# KiCad board N2360.kicad_pcb (continued)
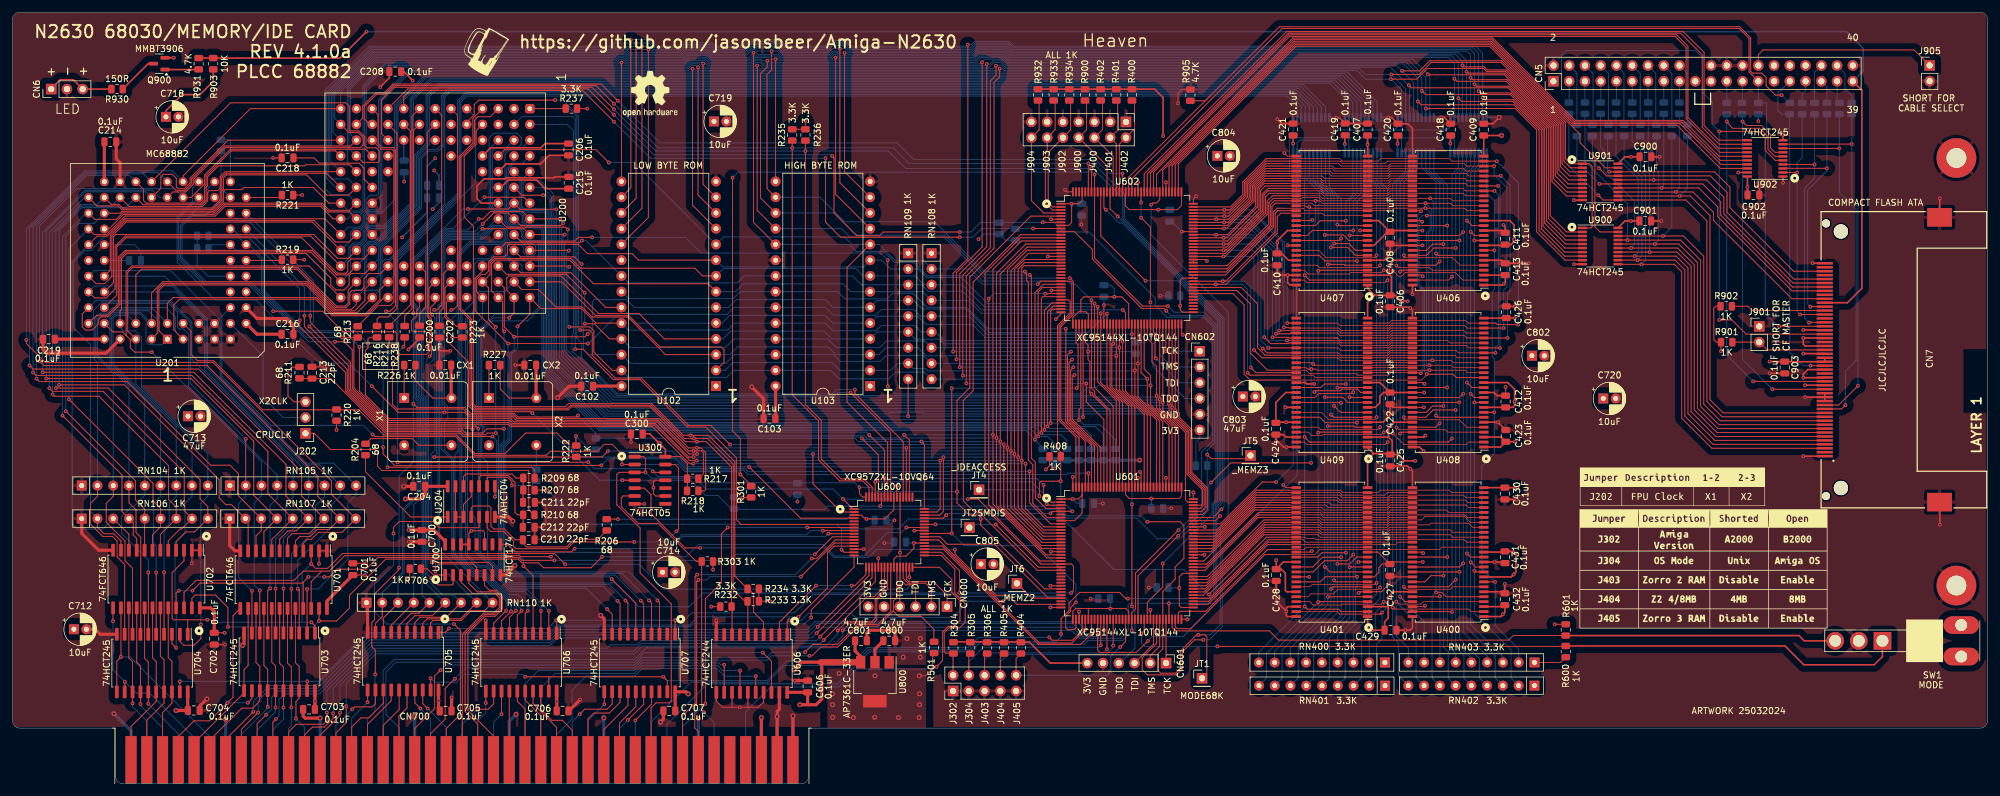
[diagram p0: board, top side]
## Routing (per net, layer and track width the routed paths; a pad name or vN(x,y) marks a point on that pad's centre or on a via; arc(x,y) is an arc through that point) (continued)
  Top w0.15: v1(157.37,78.28) 157.37,44.97 v1(158.07,44.28) ; v1(193.18,48.57) 196.37,51.76 v1(209.33,51.76) ; R206.2 97.6,42.68 v1(97.6,42.67) ; U602.30 v1(166.47,79.08)
  Bottom w0.15: v1(193.18,48.57) 192.85,48.24 192.85,44.17 188.2,39.52 184.51,39.52 181.17,42.85 169.63,42.85 168.21,44.28 v1(158.07,44.28) 136.14,44.28 134.53,42.67 v1(97.6,42.67) ; v1(209.02,93.06) 209,93.04 209,67.25 v1(209.35,66.9) 209.33,66.88 v1(209.33,51.76) ; v1(166.47,79.08) 158.17,79.08 v1(157.37,78.28)
D0: length 290.3
  Top w0.15: U201.3 26.02,73.22 26.02,77.25 26.94,78.17 48.88,78.17 51.55,75.5 56.97,75.5 59.9,78.44 ; RN104.2 13.71,46.35 12.59,45.22 12.59,41.86 14.57,39.88 16.14,39.88 16.87,39.15 16.87,36.59 18.1,35.37 U704.9
  Bottom w0.15: U421.2 207.08,109.35 205.47,110.95 73.22,110.95 72.27,110 72.27,109.09 72.29,109.08 72.29,95.04 61.87,84.62 61.87,79.77 U200.89 ; RN104.2 13.71,67.96 13.17,68.51 13.17,74.98 14.1,75.91 15.21,75.91 16.12,76.83 24.75,76.83 26.3,75.28 26.3,72.94 U201.3
D1: length 283.4
  Top w0.15: U200.88 59.23,79.67 59.23,78.13 57.49,76.39 56.86,75.76 51.66,75.76 49,78.43 25.87,78.43 24.97,77.53 24.97,74.27 ; U704.8 19.37,34.75 18.14,35.98 18.14,39.15 15.13,42.17 15.13,45.22 16.25,46.35 RN104.3
  Bottom w0.15: RN104.3 16.25,66.22 13.43,69.05 13.43,74.88 14.21,75.65 15.32,75.65 16.23,76.57 22.67,76.57 24.97,74.27 ; U421.3 207.73,109.37 205.88,111.21 73.12,111.21 72.01,110.11 72.01,95.14 61.61,84.73 61.61,82.05 U200.88
D2: length 294.9
  Top w0.15: U704.5 v1(23.18,34.07) ; U201.1 23.61,73.09 23.61,79.63 24.45,80.47 47.32,80.47 51.77,76.02 55.58,76.02 U200.102
  Bottom w0.15: U201.1 24.07,70.83 22.07,70.83 21.54,71.36 21.54,74.8 20.55,75.79 16.55,75.79 15.97,75.21 15.97,67.68 23.87,59.77 RN104.6 23.87,46.35 22.75,45.22 22.75,38.85 23.18,38.43 v1(23.18,34.07) ; U421.5 209.03,109.36 206.65,111.73 70.65,111.73 69.67,110.75 69.67,93.53 60.69,84.54 59.99,84.54 59.59,84.14 59.59,80.03 U200.102
D3: length 290.8
  Top w0.15: 22.43,74.27 22.43,79.19 24.24,80.99 46.51,80.99 47.55,80.99 52,76.54 54.66,76.54 55.45,77.33 U200.115 ; U704.6 v1(21.91,34.11)
  Bottom w0.15: U421.6 209.68,109.2 206.89,111.99 70.55,111.99 69.41,110.86 69.41,102.88 68.59,102.06 67.09,102.06 65.92,100.89 65.92,92.79 59.57,86.44 59.57,84.5 59.33,84.25 59.33,80.14 58.82,79.63 56.64,79.63 U200.115 ; 22.43,74.27 20.65,76.05 16.45,76.05 15.71,75.31 15.71,67.51 21.28,61.94 21.33,61.94 21.33,46.5 19.57,44.74 19.24,44.74 17.58,43.08 17.58,40.42 21.91,36.1 v1(21.91,34.11)
D4: length 296.6
  Top w0.15: 20.68,24.15 20.68,39.77 19.92,40.54 19.92,44.17 18.79,45.3 RN104.4 ; U200.101 56.82,79.8 56.82,77.95 55.15,76.28 51.89,76.28 47.44,80.73 24.35,80.73 23.35,79.74 23.35,72.64 U201.67
  Bottom w0.15: U200.101 59.07,82.05 59.07,84.36 59.31,84.6 59.31,86.54 65.66,92.89 65.66,101 66.98,102.32 68.38,102.32 69.16,103.1 69.16,110.97 70.44,112.25 207.23,112.25 210.33,109.15 U421.7 ; RN104.4 18.79,64.06 13.69,69.16 13.69,74.77 14.31,75.39 15.42,75.39 16.34,76.31 21.89,76.31 23.72,74.48 23.72,73.02 U201.67
D5: length 287.3
  Top w0.15: 19.89,74.27 19.89,82.11 20.8,83.01 45.9,83.01 52.11,76.8 53.77,76.8 54.38,77.41 54.38,79.23 54.72,79.57 56.22,79.57 56.68,80.03 56.68,81.53 57.47,82.33 59.34,82.33 U200.87 ; U704.4 v1(24.45,34.12)
  Bottom w0.15: U421.4 208.38,109.33 206.23,111.47 73.01,111.47 71.76,110.22 71.76,95.24 60.53,84.02 ; 19.89,74.27 18.63,75.53 16.66,75.53 16.23,75.1 16.23,67.78 26.41,57.6 26.41,46.35 25.29,45.22 25.29,41.97 24.45,41.13 v1(24.45,34.12)
D6: length 301.4
  Top w0.15: U201.65 18.58,73.04 18.58,82.5 19.36,83.27 46.01,83.27 52.22,77.06 53.63,77.06 54.12,77.55 54.12,79.65 U200.114 ; U704.3 25.72,22.59 v1(26.4,21.9)
  Bottom w0.15: U200.114 56.76,82.29 56.76,86.54 57.49,87.26 58.47,87.26 64.62,93.42 64.62,110.38 67.53,113.29 212.74,113.29 216.06,109.97 U420.3 ; v1(26.4,21.9) 26.4,29.99 26.22,30.17 26.22,38.81 27.83,40.41 27.83,45.22 28.95,46.35 RN104.8 28.95,55.43 19.89,64.48 U201.65
D7: length 298.9
  Top w0.15: v1(30.37,25.67) 30.38,25.66 30.38,23.41 29.29,22.32 27.65,22.32 26.99,22.99 U704.2 ; 17.35,74.27 17.35,76.28 17.59,76.52 17.59,84.74 18.39,85.53 47.34,85.53 51.32,81.55 51.32,80.48 52.15,79.65 53.45,79.65 54.27,80.48 54.27,81.97 54.63,82.33 56.82,82.33 56.82,82.35 U200.100
  Bottom w0.15: 57.99,83.72 59.06,84.78 59.06,86.65 65.4,93 65.4,101.3 67.2,103.09 67.2,110.85 68.86,112.51 207.67,112.51 210.98,109.2 U421.8 ; 17.35,74.27 17.35,73.62 17.92,73.05 19.84,73.05 20.79,72.1 20.79,63.96 31.49,53.25 31.49,46.35 30.37,45.22 v1(30.37,25.67)
D8: length 304.7
  Top w0.15: U703.8 v1(39.88,31.17) ; 18.36,72.29 18.32,72.33 18.32,82.6 19.25,83.53 47.82,83.53 U200.128 ; 18.36,72.29 17.75,72.9 16.18,72.9 14.81,74.27 ; 18.36,72.29 19,71.65 19,70.33 19.7,69.63 v1(22.47,69.63)
  Bottom w0.15: v1(39.88,31.17) 38.98,32.06 38.98,45.29 40.14,46.45 RN105.3 40.14,51.96 v1(22.47,69.63) ; U200.128 54.11,78.44 55.37,79.7 56.25,79.7 57.02,80.48 57.02,86.43 57.6,87.01 58.35,87.01 58.35,87 58.57,87 64.88,93.32 64.88,101.51 66.68,103.31 66.68,111.1 68.61,113.03 212.32,113.03 215.41,109.95 U420.2
D9: length 318.4
  Top w0.15: U703.9 v1(38.61,31.13) ; U200.113 54.04,82.1 52.25,82.1 48.3,86.05 18.17,86.05 17.07,84.95 17.07,77.43 15.24,75.59 13.6,75.59 12.27,74.27 ; v1(37.6,55.63) RN105.2
  Bottom w0.15: RN105.2 37.6,46.33 36.44,45.16 36.44,33.29 v1(38.61,31.13) ; v1(37.6,55.63) 28.67,64.56 28.67,74.38 25.32,77.73 14.45,77.73 13.07,76.35 13.07,75.25 12.27,74.45 ; U420.4 216.71,110.01 213.17,113.55 67.43,113.55 64.36,110.49 64.36,93.53 58.36,87.52 57.39,87.52 56.51,86.64 56.51,84.57 U200.113
D10: length 307
  Top w0.15: U703.7 41.15,31.13 v1(41.54,31.52) ; U201.59 16.81,78.81 16.81,86.59 18.31,88.09 46.63,88.09 52.36,82.36 53.76,82.36 54.05,82.65 54.05,84.15 54.57,84.68 56.61,84.68 U200.99
  Bottom w0.15: 41.52,31.51 41.52,44.89 42.68,46.06 RN105.4 42.68,49.79 28.41,64.06 28.41,72.54 27.6,73.35 26.9,73.35 26.6,73.65 26.6,76.08 25.21,77.47 14.56,77.47 14.56,77.07 ; U200.99 65.14,93.21 65.14,101.4 66.94,103.2 66.94,110.99 68.72,112.77 208.08,112.77 211.63,109.23 211.63,107.48
D11: length 330.2
  Top w0.15: U201.58 11.25,75.79 11.25,73.71 11.76,73.2 12.84,73.2 13.9,74.26 13.9,74.92 14.31,75.33 15.35,75.33 17.33,77.32 17.33,84.84 18.28,85.79 48.1,85.79 U200.127 ; U703.6 v1(42.42,31.51)
  Bottom w0.15: U201.58 13.45,77.99 25.43,77.99 28.93,74.49 28.93,68.47 45.22,52.18 RN105.5 45.22,46.17 44.06,45.01 44.06,41.12 42.42,39.48 v1(42.42,31.51) ; U200.127 54.5,82.56 54.5,86.44 55.06,87.01 56.03,87.01 56.79,87.76 56.79,89.1 57.53,89.84 59.94,89.84 62.13,92.03 62.13,109.31 66.88,114.07 213.93,114.07 218.01,110 U420.6
D12: length 316.3
  Top w0.15: U703.5 v1(43.69,31.52) ; 14.81,79.35 16.29,80.83 16.29,88.25 16.65,88.61 48.56,88.61 52.4,84.78 54.17,84.78 U200.112
  Bottom w0.15: 14.81,79.35 26.36,79.35 30.95,74.75 30.95,66.82 47.75,50.02 47.76,50.02 RN105.6 47.76,46.15 46.6,44.98 46.6,42.47 43.69,39.55 v1(43.69,31.52) ; U420.5 217.36,110.04 213.59,113.81 67.32,113.81 64.11,110.59 64.11,93.64 60.05,89.58 57.64,89.58 57.05,88.99 57.05,87.65 U200.112
D13: length 328.2
  Top w0.15: 12.27,79.35 13.24,78.38 15.11,78.38 16.55,79.82 16.55,86.7 18.21,88.35 48.08,88.35 U200.126 ; U703.4 v1(44.96,31.46)
  Bottom w0.15: 12.27,79.35 13.23,80.3 25.77,80.3 31.21,74.86 31.21,67.19 RN105.7 50.3,46.28 48.85,44.83 48.85,40.97 44.96,37.08 v1(44.96,31.46) ; U420.7 218.66,110.02 214.35,114.33 66.78,114.33 61.87,109.42 61.87,92.13 59.83,90.1 57.42,90.1 56.53,89.21 56.53,87.87 55.93,87.26 54.95,87.26 54.24,86.55 54.24,84.84 U200.126
D14: length 321.6
  Top w0.15: U703.3 46.23,31.21 v1(46,31.44) ; U200.111 54.26,87.4 52.1,87.4 48.61,90.89 18.2,90.89 15.77,88.47 15.77,82.85 U201.55
  Bottom w0.15: U201.55 24.55,81.89 31.47,74.97 31.47,67.3 47.32,51.45 49.49,51.45 RN105.8 52.84,46.4 51.39,44.94 51.39,41.4 46,36.01 v1(46,31.44) ; U420.8 219.31,110 214.72,114.59 66.67,114.59 61.61,109.53 61.61,108.26 61.61,94.21 59.48,92.09 57.6,92.09 57.05,91.53 57.05,90.19 U200.111
D15: length 337.7
  Top w0.15: U201.54 13.48,80.68 14.87,80.68 16.03,81.84 16.03,88.36 18.31,90.63 48.34,90.63 U200.125 ; U703.2 v1(47.5,31.41)
  Bottom w0.15: U420.9 219.96,110.05 215.16,114.85 64.19,114.85 59.55,110.2 59.55,92.52 59.37,92.34 57.49,92.34 56.79,91.64 56.79,90.3 56.03,89.55 55.06,89.55 54.51,88.99 54.51,87.65 U200.125 ; U201.54 13.19,82.8 25.48,82.8 33.49,74.79 33.49,65.65 47.42,51.71 51.77,51.71 RN105.9 55.38,46.6 54.07,45.29 54.07,36.21 49.27,31.41 v1(47.5,31.41)
D16: length 463.7
  Top w0.15: U200.124 50.36,91.15 18.2,91.15 18.15,91.21 15.29,88.35 13.66,88.35 12.27,86.97 ; U102.11 109.62,93.34 v1(109.62,115.38) ; v1(173.09,64.58) 173.09,61.6 175.92,58.77 U601.134 ; v1(159.12,115.38) 159.12,114.05 158.22,113.15 158.22,86.4 153.75,81.93 v1(153.75,64.58) ; U901.5 250.86,97.43 249.25,99.03 249.25,106.35 240.69,114.91 237.61,114.91 237.12,115.4 228.07,115.4 226.35,113.68 v1(222.2,113.68) ; U702.10 18.77,40.25 RN106.3
  Bottom w0.15: RN106.3 14.55,41.07 10.48,41.07 9.62,41.92 9.62,84.32 12.27,86.97 ; U200.124 54.12,89.8 55.93,89.8 56.53,90.41 56.53,91.75 57.39,92.6 59.22,92.6 59.29,92.67 59.29,110.31 64.08,115.11 109,115.11 109.27,115.38 v1(109.62,115.38) 109.85,115.38 110.13,115.11 158.85,115.11 v1(159.12,115.38) 159.57,115.38 159.85,115.11 216.68,115.11 218.1,113.68 v1(222.2,113.68) 223.92,111.96 U419.2 ; v1(173.09,64.58) v1(153.75,64.58)
D17: length 455.5
  Top w0.15: v1(171.2,65.95) 170.83,65.58 170.83,58.82 175.42,54.22 U601.135 ; v1(110.51,115.59) 110.51,94.99 U102.12 ; v1(153.19,65.83) 153.19,82.04 157.62,86.47 157.62,113.4 158.53,114.31 v1(158.53,115.85) ; U201.49 15.55,89.51 17.89,91.85 32.59,91.85 34.16,93.42 49.81,93.42 50.97,92.26 54.34,92.26 U200.110 ; v1(222.26,114.44) 226.74,114.44 228.69,116.39 239.95,116.39 249.77,106.56 249.77,100 251.05,98.73 U901.3 ; RN106.2 13.71,41.37 14.75,40.33 16.33,40.33 17.5,39.16 U702.11
  Bottom w0.15: U201.49 14.81,88.24 12.63,86.05 11.73,86.05 9.88,84.21 9.88,73.57 12.59,70.86 12.59,43.89 RN106.2 ; v1(171.2,65.95) 171.08,65.83 v1(153.19,65.83) ; U419.3 224.57,112.13 v1(222.26,114.44) 218.06,114.44 217.14,115.37 159.95,115.37 159.44,115.88 158.56,115.88 v1(158.53,115.85) 158.04,115.37 110.74,115.37 v1(110.51,115.59) 110.2,115.9 109.43,115.9 108.89,115.37 63.98,115.37 59.03,110.42 59.03,95.1 58.89,94.95 57.65,94.95 57.02,94.33 57.02,92.71 U200.110
D18: length 459.9
  Top w0.15: v1(152.69,67.2) 152.69,82.28 157.05,86.64 v1(157.05,116.13) ; 9.12,62 22.67,48.45 22.67,45.6 23.87,44.4 RN106.6 23.87,41.43 22.58,40.14 U702.7 ; U102.13 111.33,96.72 v1(111.32,116.2) ; U201.48 13.17,88.61 15.19,88.61 18.16,91.59 32.69,91.59 34.27,93.16 49.67,93.16 51.69,91.14 U200.123 ; U901.2 251.15,99.38 250.07,100.45 250.07,106.63 240.05,116.65 228.43,116.65 226.8,115.02 v1(223.99,115.02) ; U601.136 174.92,54.36 170.57,58.71 170.57,66.76 v1(171.01,67.2)
  Bottom w0.15: v1(171.01,67.2) v1(152.69,67.2) ; U200.123 54.03,91.14 55.02,92.13 56.08,92.13 56.76,92.82 56.76,112.54 60.11,115.88 108.67,115.88 109.21,116.42 111.11,116.42 v1(111.32,116.2) 111.68,116.2 112,115.88 119.28,115.88 119.77,116.38 120.53,116.38 121.02,115.88 156.81,115.88 v1(157.05,116.13) 157.53,116.13 158.04,116.64 159.42,116.64 160.17,115.88 223.13,115.88 v1(223.99,115.02) 225.87,113.15 U419.5 ; U201.48 9.1,86.33 v1(9.1,62.03)
D19: length 466.4
  Top w0.15: v1(156.3,116.43) 156.3,86.6 152.15,82.45 v1(152.15,68.44) ; U900.8 250.2,85.13 246.07,89.25 246.07,105.48 242.01,109.55 227.07,109.55 v1(226.52,110.1) ; 21.33,42.77 21.33,44.27 19.82,45.78 19.82,48.88 v1(8.6,60.1) ; U702.8 21.31,42.74 ; U200.122 51.02,93.68 48.5,96.2 37.34,96.2 37,95.86 34.32,95.86 34.01,95.56 34.01,94 32.37,92.37 17.67,92.37 17.36,92.05 14.81,92.05 ; U601.137 174.42,54.49 170.31,58.6 170.31,67.95 v1(170.8,68.44) ; U102.15 v1(98.17,116.37)
  Bottom w0.15: 14.81,92.05 13.17,90.4 10.65,90.4 8.6,88.36 v1(8.6,60.1) ; U419.6 v1(226.52,110.1) 226.52,113.86 224.23,116.14 160.28,116.14 159.52,116.9 156.77,116.9 v1(156.3,116.43) 156.01,116.14 121.13,116.14 120.64,116.64 119.67,116.64 119.17,116.14 112.13,116.14 111.57,116.7 109.13,116.7 108.57,116.14 98.77,116.14 98.54,116.37 v1(98.17,116.37) 97.81,116.37 97.58,116.14 60.01,116.14 56.51,112.64 56.51,92.92 55.97,92.39 54.2,92.39 U200.122 ; v1(170.8,68.44) v1(152.15,68.44)
D20: length 486.9
  Top w0.15: v1(170.62,69.71) 170.05,69.14 170.05,58.48 171.94,56.59 171.95,56.59 173.92,54.62 U601.138 ; 12.27,92.05 13.27,91.05 16.73,91.05 17.78,92.11 32.48,92.11 34.05,93.68 49.92,93.68 51.08,92.52 54.29,92.52 U200.109 ; U102.16 99.68,96.15 99.68,120.04 ; v1(8.07,59.4) 17.67,49.81 17.67,43.89 RN106.4 19.47,42.09 19.47,40.11 20.04,39.54 U702.9 ; v1(151.63,69.71) 151.63,82.36 154,84.73 v1(154,119.25) ; v1(236.97,110.7) 237.31,110.36 241.93,110.36 246.71,105.58 246.71,89.96 250.25,86.43 U900.6
  Bottom w0.15: v1(8.07,59.4) 8.07,88.28 11.84,92.05 ; U418.9 v1(236.97,110.7) 236.97,112.98 236.97,113.69 236.97,116.61 236.97,117.88 235.86,119 161.46,119 160.71,119.75 155.06,119.75 154.56,119.25 v1(154,119.25) 153.74,119 135.3,119 134.41,119.88 131.95,119.88 131.07,119 124.67,119 123.65,120.01 118.6,120.01 117.59,119 113.33,119 112.77,119.56 107.94,119.56 107.38,119 103.49,119 102.43,120.05 v1(99.67,120.05) 97.4,120.05 96.34,119 57.52,119 50.39,111.87 50.39,96.04 51.37,95.05 54.08,95.05 U200.109 ; v1(170.62,69.71) v1(151.63,69.71)
D21: length 402.8
  Top w0.15: 100.53,119.49 100.53,94.46 U102.17 ; U200.121 50.63,98.5 34.41,98.5 33.75,97.84 33.75,96.03 33.49,95.77 33.49,94.22 32.16,92.88 17.74,92.88 17.14,93.49 15.91,93.49 U201.45 ; v1(6.47,62.8) 6.76,62.51 13.96,62.51 25.17,51.3 25.17,45.85 26.41,44.61 26.41,42.77 23.85,40.2 U702.6 ; v1(236.32,111.75) 236.63,111.45 241.58,111.45 247.27,105.75 247.27,90.8 250.35,87.73 U900.4
  Bottom w0.15: v1(6.47,62.8) 6.47,88.96 10.97,93.46 13.69,93.46 U201.45 ; U200.121 52.11,96.22 50.65,97.68 50.65,111.64 57.75,118.74 96.46,118.74 97.22,119.5 v1(100.55,119.5) 102.62,119.5 103.38,118.74 107.49,118.74 108.05,119.3 112.66,119.3 113.22,118.74 117.7,118.74 118.71,119.75 123.55,119.75 124.56,118.74 131.18,118.74 132.06,119.62 134.31,119.62 135.19,118.74 154.42,118.74 155.17,119.49 160.6,119.49 161.35,118.74 199.94,118.74 235.46,118.74 236.32,117.87 v1(236.32,111.75) U418.8
D22: length 412.6
  Top w0.15: U702.5 25.12,39.2 27.01,41.09 27.28,41.09 RN106.8 27.7,44.02 27.7,50.2 14.6,63.3 6.47,63.3 v1(5.95,63.83) ; U201.44 13.63,93.23 17.03,93.23 17.64,92.63 32.26,92.63 33.75,94.11 33.75,95.66 34.01,95.92 34.01,97.73 34.52,98.24 47.41,98.24 50.7,94.95 54.19,94.95 U200.108 ; v1(235.67,112.85) 235.98,112.55 241.21,112.55 247.87,105.89 247.87,91.65 250.5,89.03 U900.2 ; U102.18 101.47,92.86 101.47,118.97
  Bottom w0.15: v1(5.95,63.83) 5.95,88.95 11.58,94.59 U201.44 ; U418.7 v1(235.67,112.85) 235.67,117.78 234.98,118.48 161.24,118.48 160.49,119.23 155.28,119.23 154.52,118.48 135.08,118.48 134.2,119.36 132.17,119.36 131.28,118.48 124.45,118.48 123.44,119.49 118.82,119.49 117.81,118.48 113.12,118.48 112.56,119.04 108.16,119.04 107.6,118.48 103.27,118.48 102.78,118.97 v1(101.47,118.98) 97.06,118.97 96.56,118.48 57.86,118.48 50.91,111.53 50.91,98.12 51.45,97.58 54.09,97.58 U200.108
D23: length 399.9
  Top w0.15: U201.42 18.8,93.14 30.61,93.14 31.47,94.01 31.47,95.43 31.75,95.7 33.06,95.7 33.49,96.14 33.49,97.94 34.3,98.76 U200.120 ; v1(7,63.83) 15.45,63.83 30.25,49.03 30.25,45.93 31.49,44.68 31.49,42.77 29.35,40.62 27.95,40.62 26.39,39.06 U702.4 ; U901.8 250.53,95.48 248.41,97.59 248.41,106.08 240.9,113.6 235.33,113.6 v1(235.02,113.9) ; U102.19 102.51,91.36 v1(102.51,118.47)
  Bottom w0.15: v1(7,63.83) 7,89.12 11.08,93.2 15.97,93.2 U201.42 ; U200.120 51.17,100.5 51.17,111.43 57.96,118.22 96.67,118.22 97.17,118.71 99.13,118.71 99.38,118.47 v1(102.51,118.47) 102.82,118.47 103.07,118.22 107.71,118.22 108.27,118.78 112.45,118.78 113.01,118.22 117.91,118.22 118.93,119.23 123.33,119.23 124.34,118.22 131.39,118.22 132.27,119.1 134.09,119.1 134.97,118.22 154.63,118.22 155.38,118.97 160.38,118.97 161.14,118.22 234.46,118.22 235.02,117.65 v1(235.02,113.9) U418.6
D24: length 393.9
  Top w0.15: v1(228.15,114.48) 228.24,114.39 240.48,114.39 248.67,106.19 248.67,98.1 250.65,96.13 253.06,96.13 ; RN107.2 35.31,45.02 34.39,45.02 33.32,46.08 33.32,49.08 18.05,64.35 v1(7.52,64.35) ; U200.107 54.34,99.87 47.26,99.87 47.1,99.71 33.21,99.71 31.47,97.96 31.47,96.51 31.21,96.25 31.21,94.12 30.5,93.4 21.08,93.4 U201.40 ; U701.11 38,42.34 ; U103.11 132.69,95.12 v1(132.69,117.17)
  Bottom w0.15: v1(7.52,64.35) 7.52,89.28 11.19,92.94 18.25,92.94 U201.40 ; U419.9 228.47,114.16 v1(228.15,114.48) 225.71,116.92 160.6,116.92 159.85,117.68 155.92,117.68 155.17,116.92 133.25,116.92 133,117.17 v1(132.69,117.17) 132.36,117.17 132.12,116.92 123.81,116.92 123.31,117.42 119.34,117.42 118.85,116.92 112.47,116.92 111.91,117.48 108.8,117.48 108.24,116.92 99.09,116.92 98.61,117.4 97.68,117.4 97.21,116.92 58.53,116.92 53.99,112.38 53.99,100.22 U200.107
D25: length 407.3
  Top w0.15: U701.10 39.27,39.97 40.1,40.81 RN107.3 36.42,46.45 36.42,50.03 35.07,51.39 31.98,51.39 18.49,64.88 4.35,64.88 v1(3.87,65.35) ; U200.119 52.1,102.11 35.25,102.11 31.21,98.07 31.21,96.61 30.95,96.35 30.95,94.22 30.41,93.68 21.55,93.68 21.13,94.1 21.13,95.89 19.89,97.13 ; v1(234.37,114.9) 234.62,114.65 240.58,114.65 248.97,106.26 248.97,98.55 250.75,96.78 U901.6 ; v1(133.37,118.6) 133.37,96.97 U103.12
  Bottom w0.15: U200.119 51.43,102.78 51.43,111.32 58.07,117.96 96.78,117.96 97.27,118.46 99.03,118.46 99.52,117.96 107.81,117.96 108.37,118.52 112.34,118.52 112.9,117.96 118.02,117.96 119.03,118.97 123.22,118.97 124.24,117.96 131.57,117.96 132.22,118.6 v1(133.37,118.6) 134.23,118.6 134.87,117.96 154.74,117.96 155.49,118.71 160.28,118.71 161.03,117.96 233.07,117.96 234.37,116.65 v1(234.37,114.9) U418.5 ; 19.89,97.13 18.89,98.13 11.97,98.13 3.87,90.03 v1(3.87,65.35)
D26: length 400.7
  Top w0.15: v1(134.13,117.93) 134.13,98.76 U103.13 ; U701.9 40.54,40.66 RN107.4 38.9,46.51 38.9,55.25 28.77,65.38 v1(5.45,65.38) ; U901.4 251,98.08 249.51,99.56 249.51,106.45 240.79,115.17 237.72,115.17 237.23,115.66 233.96,115.66 v1(233.72,115.9) ; U200.118 34.76,103.84 28.64,97.71 28.64,96.94 27.7,96 26.75,96 26.42,96.33 26.42,97.68 25.77,98.33 24.35,98.33 23.92,97.9 23.92,96.08 U201.38
  Bottom w0.15: U201.38 21.52,95.5 11.77,95.5 5.45,89.18 v1(5.45,65.38) ; U200.118 51.69,105.06 51.69,111.21 58.18,117.7 96.89,117.7 97.38,118.2 98.92,118.2 99.41,117.7 107.92,117.7 108.48,118.26 112.23,118.26 112.79,117.7 118.13,117.7 119.14,118.71 123.12,118.71 124.13,117.7 131.73,117.7 132.23,118.2 133.1,118.2 133.36,117.93 v1(134.13,117.93) 134.44,117.93 134.67,117.7 154.85,117.7 155.6,118.46 160.17,118.46 160.92,117.7 232.58,117.7 233.72,116.55 v1(233.72,115.9) U418.4
D27: length 424
  Top w0.15: 22.43,97.13 35.17,109.87 53.71,109.87 54.27,109.3 54.27,105.5 54.43,105.34 55.8,105.34 56.53,104.61 56.59,104.61 56.81,104.39 56.81,102.92 57.12,102.6 58.63,102.6 59.12,102.11 59.12,100.47 58.9,100.25 56.5,100.25 U200.106 ; U701.8 41.81,39.39 RN107.5 41.17,46.78 41.17,53.6 28.9,65.88 3.8,65.88 v1(3.32,66.35) ; U103.15 123.01,103.5 ; 253.06,84.48 250.25,84.48 245.67,89.05 245.67,105.5 242.23,108.95 v1(227.82,108.95) ; 123.01,103.5 v1(123.01,116.91)
  Bottom w0.15: U419.8 227.82,112.45 227.82,113.17 227.82,113.91 225.06,116.66 160.49,116.66 159.74,117.42 156.05,117.42 155.29,116.66 123.58,116.66 123.33,116.91 v1(123.01,116.91) 122.16,116.91 121.92,117.16 119.45,117.16 118.96,116.66 112.36,116.66 111.8,117.22 108.91,117.22 108.35,116.66 98.98,116.66 98.51,117.14 97.79,117.14 97.32,116.66 58.64,116.66 54.25,112.27 54.25,102.5 U200.106 ; 22.43,97.13 21.17,98.39 11.87,98.39 3.32,89.85 v1(3.32,66.35)
D28: length 504.3
  Top w0.15: U601.7 166.8,42.93 164.47,45.25 164.47,51.44 163.75,52.17 163.75,80.93 163.47,81.2 163.47,82.35 v1(163.2,82.63) ; v1(4.87,66.38) 29.25,66.38 44.1,51.53 44.1,46.39 RN107.6 45.74,40.79 44.41,40.79 43.08,39.45 U701.7 ; U103.16 121.63,96.02 121.63,114.44 122.37,115.18 v1(122.37,118.2) ; U201.36 25.87,95.48 27.91,95.48 29.16,96.73 29.16,97.5 34.29,102.63 56.1,102.63 56.55,103.08 56.55,104.23 55.69,105.08 54.21,105.08 U200.117 ; v1(233.07,110.6) 233.57,110.1 241.82,110.1 246.45,105.47 246.45,89.52 250.2,85.78 U900.7
  Bottom w0.15: U418.3 v1(233.07,110.6) 233.07,111.45 233.07,112.15 233.07,116.3 231.94,117.44 160.81,117.44 160.06,118.2 155.71,118.2 154.95,117.44 133.49,117.44 132.99,117.94 132.33,117.94 131.84,117.44 124.02,117.44 123.26,118.2 v1(122.37,118.2) 119.97,118.2 119.72,118.45 119.25,118.45 118.24,117.44 112.69,117.44 112.13,118 108.59,118 108.03,117.44 99.3,117.44 98.83,117.92 97.47,117.92 96.99,117.44 58.29,117.44 51.95,111.1 51.95,107.34 U200.117 ; v1(4.87,66.38) 4.87,88.97 11.67,95.76 22.53,95.76 23.71,94.59 U201.36 ; U103.16 130.16,94.63 134.12,90.68 148.62,90.68 156.67,82.63 v1(163.2,82.63)
D29: length 502.7
  Top w0.15: U701.6 44.35,39.59 45.09,40.34 47.83,40.34 RN107.7 46.6,46.43 46.6,50.33 30.02,66.9 3.32,66.9 v1(2.75,67.48) ; U103.17 120.58,94.53 120.58,114.59 121.67,115.68 v1(121.67,116.65) ; U900.5 250.35,87.08 246.97,90.45 246.97,105.68 241.47,111.19 227.79,111.19 v1(227.17,111.8) ; U200.105 54.51,102.89 34.18,102.89 28.9,97.61 28.9,96.84 27.81,95.74 26.36,95.74 24.97,97.13 ; U601.4 166.57,44.43 164.87,46.13 164.87,51.87 164.25,52.5 164.25,81.83 v1(163.97,82.1)
  Bottom w0.15: U419.7 227.17,113.89 224.65,116.4 160.38,116.4 159.63,117.16 156.15,117.16 155.4,116.4 122.15,116.4 121.9,116.65 v1(121.67,116.65) 120.99,116.65 120.75,116.9 119.56,116.9 119.07,116.4 112.26,116.4 111.7,116.96 109.02,116.96 108.46,116.4 98.87,116.4 98.4,116.88 97.9,116.88 97.42,116.4 58.75,116.4 54.51,112.16 54.51,104.79 U200.105 ; 24.97,97.13 23.46,98.65 11.76,98.65 2.75,89.64 v1(2.75,67.48) ; v1(163.97,82.1) 156.72,82.1 150.3,88.53 135.9,88.53 132.33,92.09 U103.17
D30: length 503.8
  Top w0.15: v1(170.45,81.58) 171.02,81 171.02,75.75 168.97,73.7 168.97,58.73 171.92,55.78 U601.142 ; v1(225.07,112.7) 225.49,112.29 241.1,112.29 247.57,105.82 247.57,91.2 250.4,88.38 U900.3 ; U701.5 45.62,39.15 46.35,39.89 48.02,39.89 49.13,41 51.04,41 RN107.8 49.22,46.35 49.22,49.63 31.37,67.48 5.1,67.48 v1(4.37,68.2) ; v1(120.04,115.87) 120.04,92.52 U103.18 ; U200.93 56.92,102.37 35.14,102.37 30.95,98.18 30.95,98.18 30.95,96.76 28.78,94.59 U201.34
  Bottom w0.15: v1(4.37,68.2) 4.37,90.05 10.35,96.02 26.08,96.02 U201.34 ; U103.18 133.65,89.55 134.97,88.23 150.11,88.23 156.76,81.58 v1(170.45,81.58) ; U419.4 225.22,112.51 222.1,115.63 160.06,115.63 159.31,116.38 158.15,116.38 157.4,115.63 120.88,115.63 120.63,115.87 v1(120.04,115.87) 119.67,115.87 119.42,115.63 111.2,115.63 110.66,116.16 109.32,116.16 108.78,115.63 60.22,115.63 57.02,112.43 57.02,102.27 U200.93
D31: length 504.5
  Top w0.15: U200.116 38.35,108.92 27.51,98.09 27.51,97.13 ; U701.4 46.89,38.79 47.53,39.44 48.22,39.44 49.33,40.55 53.13,40.55 RN107.9 51.42,46.69 51.42,48.88 32.32,67.98 5.3,67.98 2.25,71.03 v1(2.25,71.63) ; v1(165.27,80.6) 165.75,81.08 U602.26 170.55,81.08 170.76,80.86 170.76,75.86 168.71,73.81 168.71,72.84 168.71,58.61 171.42,55.9 U601.143 ; v1(119.45,117.95) 119.45,90.58 U103.19 ; v1(232.42,113.75) 232.84,113.34 240.79,113.34 248.15,105.97 248.15,97.18 250.51,94.83 U901.9
  Bottom w0.15: U418.2 v1(232.42,113.75) 232.42,116.2 231.45,117.18 160.71,117.18 159.95,117.94 155.81,117.94 155.06,117.18 133.37,117.18 132.88,117.68 132.45,117.68 131.95,117.18 123.91,117.18 123.42,117.68 120.13,117.68 119.85,117.95 v1(119.45,117.95) 118.68,117.18 112.58,117.18 112.02,117.74 108.7,117.74 108.14,117.18 99.2,117.18 98.72,117.66 97.58,117.66 97.1,117.18 58.43,117.18 52.91,111.67 U200.116 ; v1(2.25,71.63) 2.25,89.5 11.65,98.91 25.74,98.91 27.51,97.13 ; v1(165.27,80.6) 156.33,80.6 154.97,81.96 147.45,81.96 145.31,84.1 144.02,84.1 142.24,84.1 140.47,85.87 136,85.87 134.86,87.01 U103.19
DA0: length 114
  Top w0.15: U602.113 186.42,99.62 206.61,119.8 238.4,119.8 251.69,106.51 268.8,106.51 275.38,99.93 U902.17
DA1: length 113.6
  Top w0.15: U602.112 186.92,99.75 206.68,119.51 238.33,119.51 251.58,106.25 268.31,106.25 275.28,99.28 U902.18
DA2: length 114.5
  Top w0.15: U902.16 275.25,100.58 269.06,106.77 251.8,106.77 238.51,120.06 206.5,120.06 185.42,98.99 U602.115
DRSEL: length 121.3
  Top w0.15: 49.85,34.29 46.88,34.29 45.39,32.8 29.61,32.8 27.66,30.85 U702.22 ; 49.85,34.29 51.06,34.29 53.55,36.78 81.76,36.78 81.93,36.62 v1(86.79,36.62) ; 49.85,34.29 48.16,32.59 U701.22 ; U600.9 v1(131.52,40.33)
  Bottom w0.15: v1(131.52,40.33) 131.09,39.89 108.01,39.89 105.44,37.32 87.49,37.32 v1(86.79,36.62)
E: length 99.8
  Top w0.15: CN700.50 64.84,8.9 68.02,12.08 68.02,17.33 v1(69.01,18.31) ; v1(127.76,21.21) 129.01,22.46 132.99,22.46 136.19,25.66 139.43,25.66 141.57,27.8 U600.25
  Bottom w0.15: v1(127.76,21.21) 122.41,21.21 121.57,20.37 101.48,20.37 100.25,19.14 69.83,19.14 v1(69.01,18.31)
EMA0: length 104.7
  Top w0.11: 205.75,98.45 212.25,98.45 212.64,98.06 U407.23 221.76,98.06 222.17,98.46 234.36,98.46 234.77,98.06 U406.23 ; U409.23 221.93,71.92 222.32,72.31 234.01,72.31 234.4,71.92 U408.23
  Top w0.15: U406.23 239.89,98.06 v1(239.9,98.07) ; U602.101 195.8,90.08 199.87,94.15 199.87,96.41 201.91,98.45 205.75,98.45 ; U408.23 v1(241,71.92)
  Bottom w0.15: v1(239.9,98.07) 241.39,96.58 241.39,79.53 241,79.14 v1(241,71.92)
